# Altium PCB MU2_M.PcbDoc (part 1 of 2)
Units mm, origin at the board's own origin, x right, y up, seen from the top; angles counter-clockwise.
Board outline 200 x 140 mm, 4 copper layers (Top Layer, gnd, PITANIE, Bottom Layer), stack 0.777 mm thick; 379 components, 284 nets, 1704 pads, 111 vias.
Unrouted connection lines stored in the file: 732.
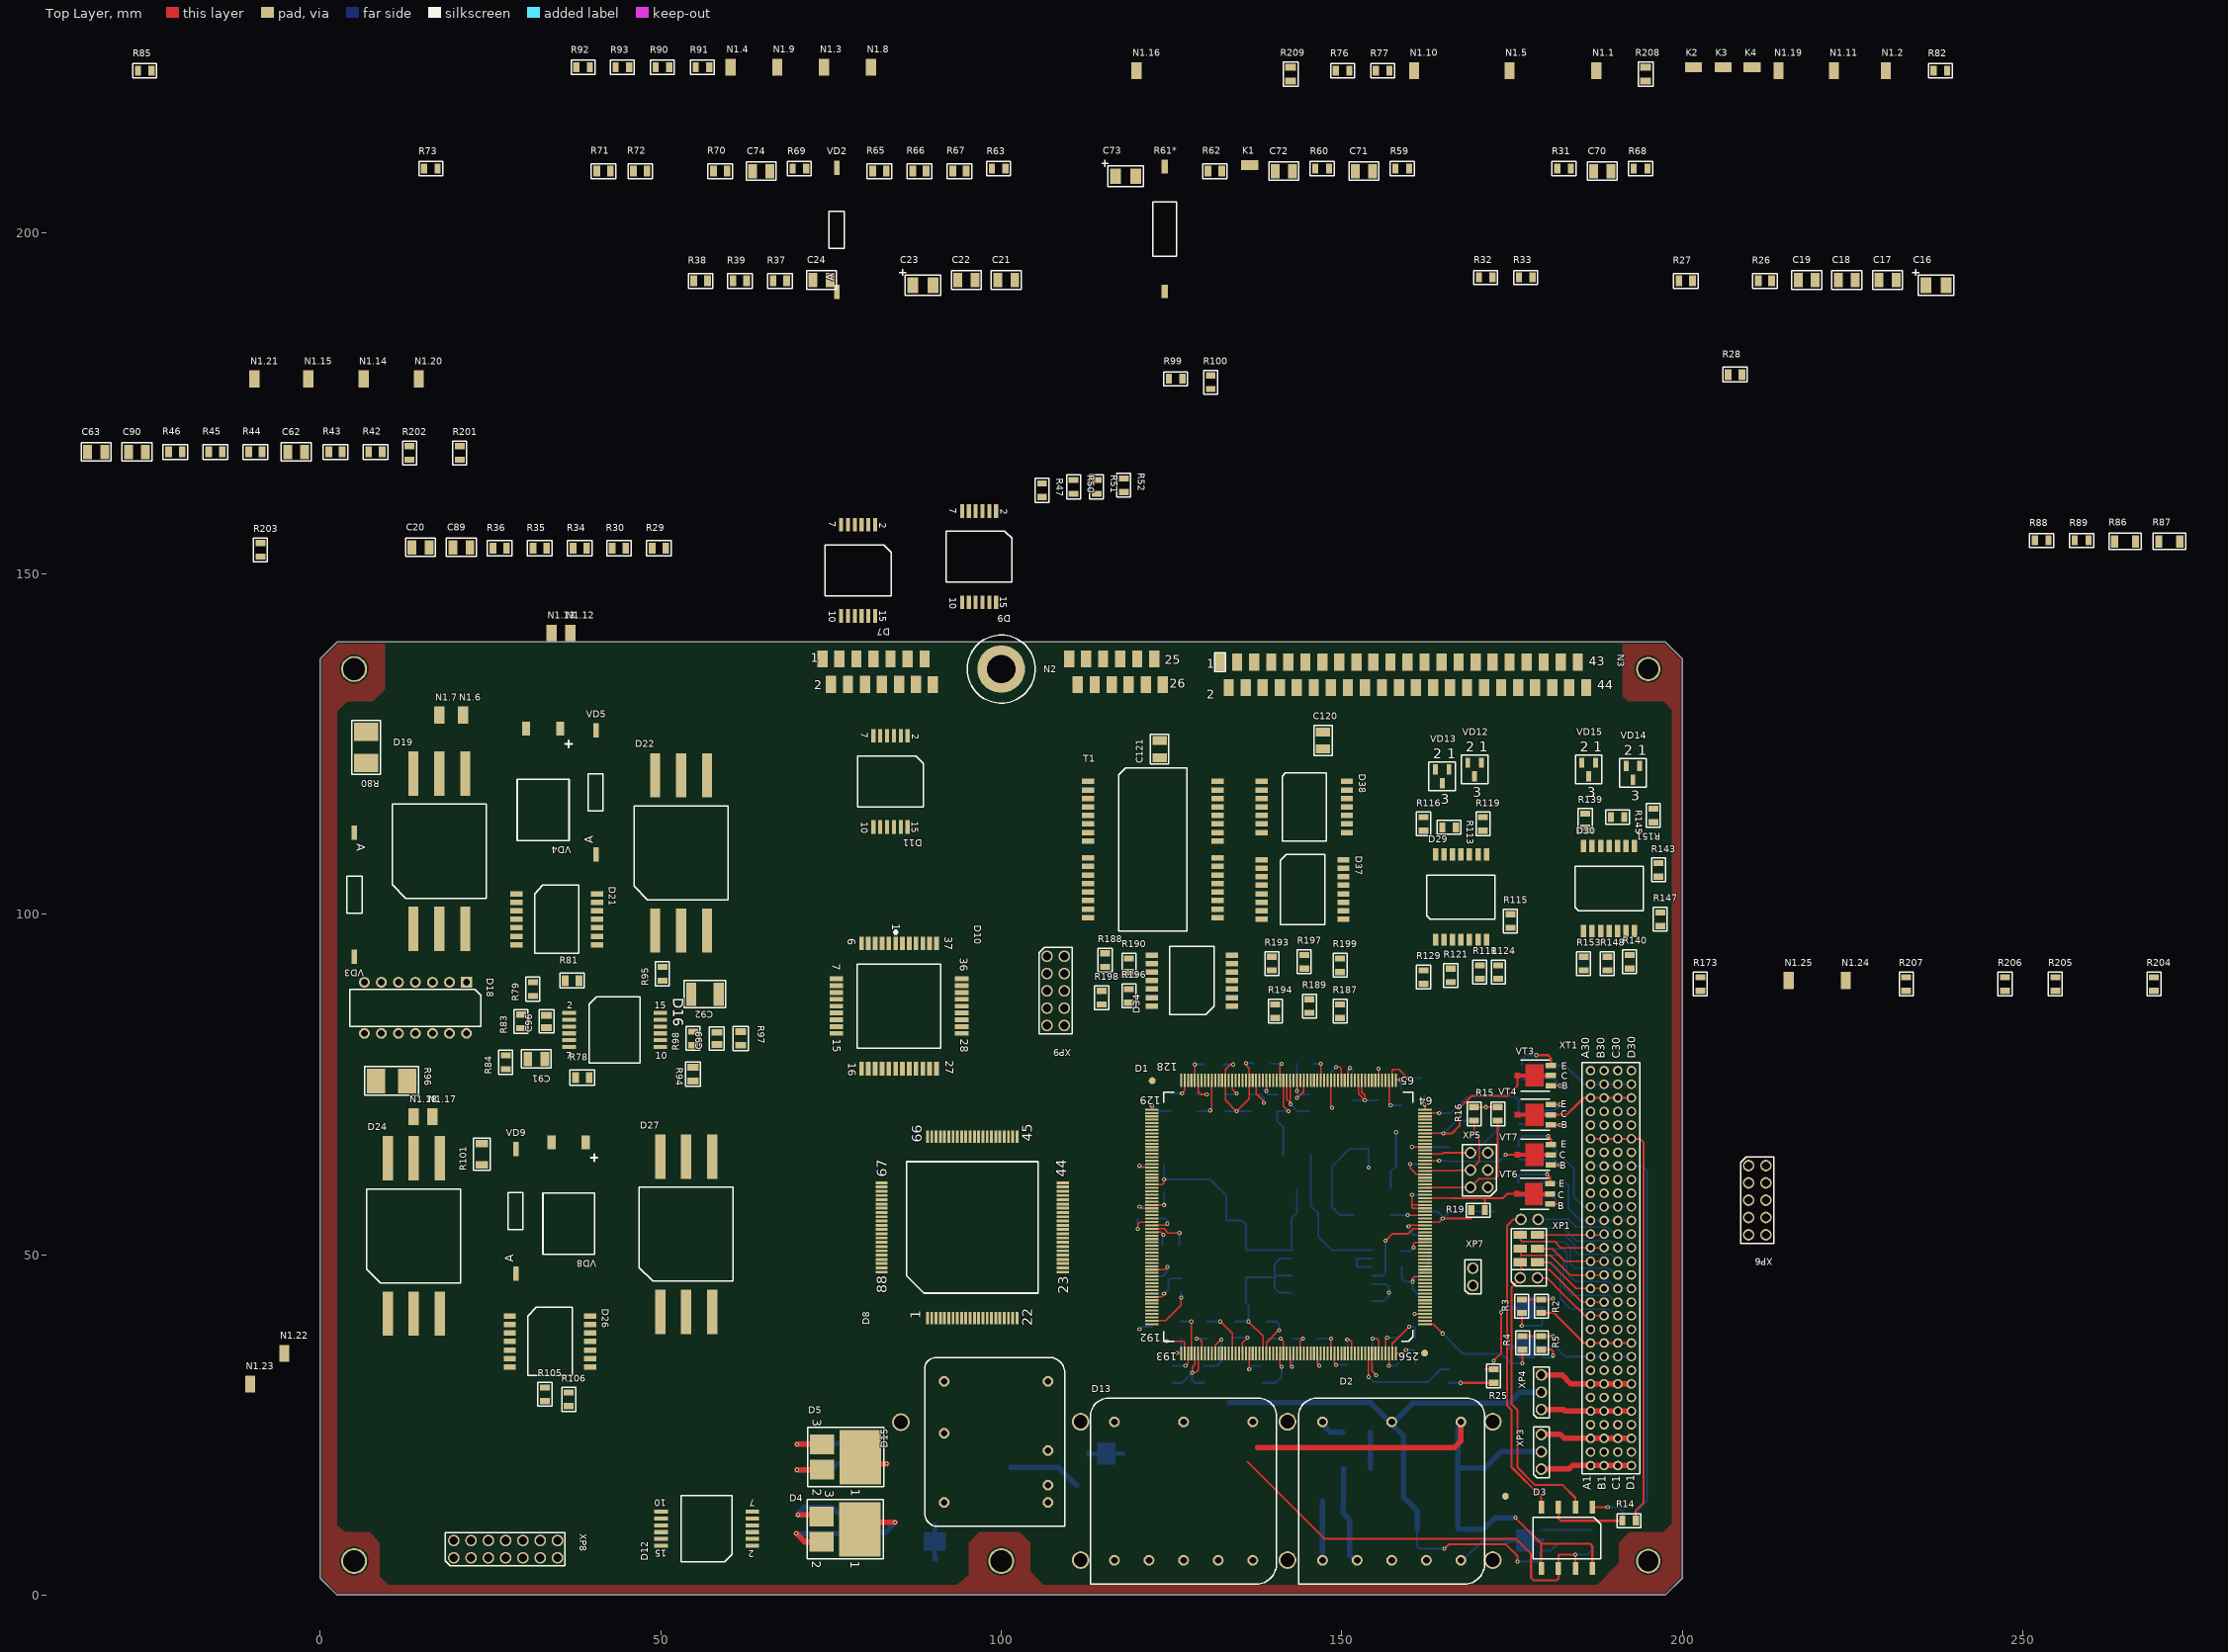
[diagram p0: Top Layer view]
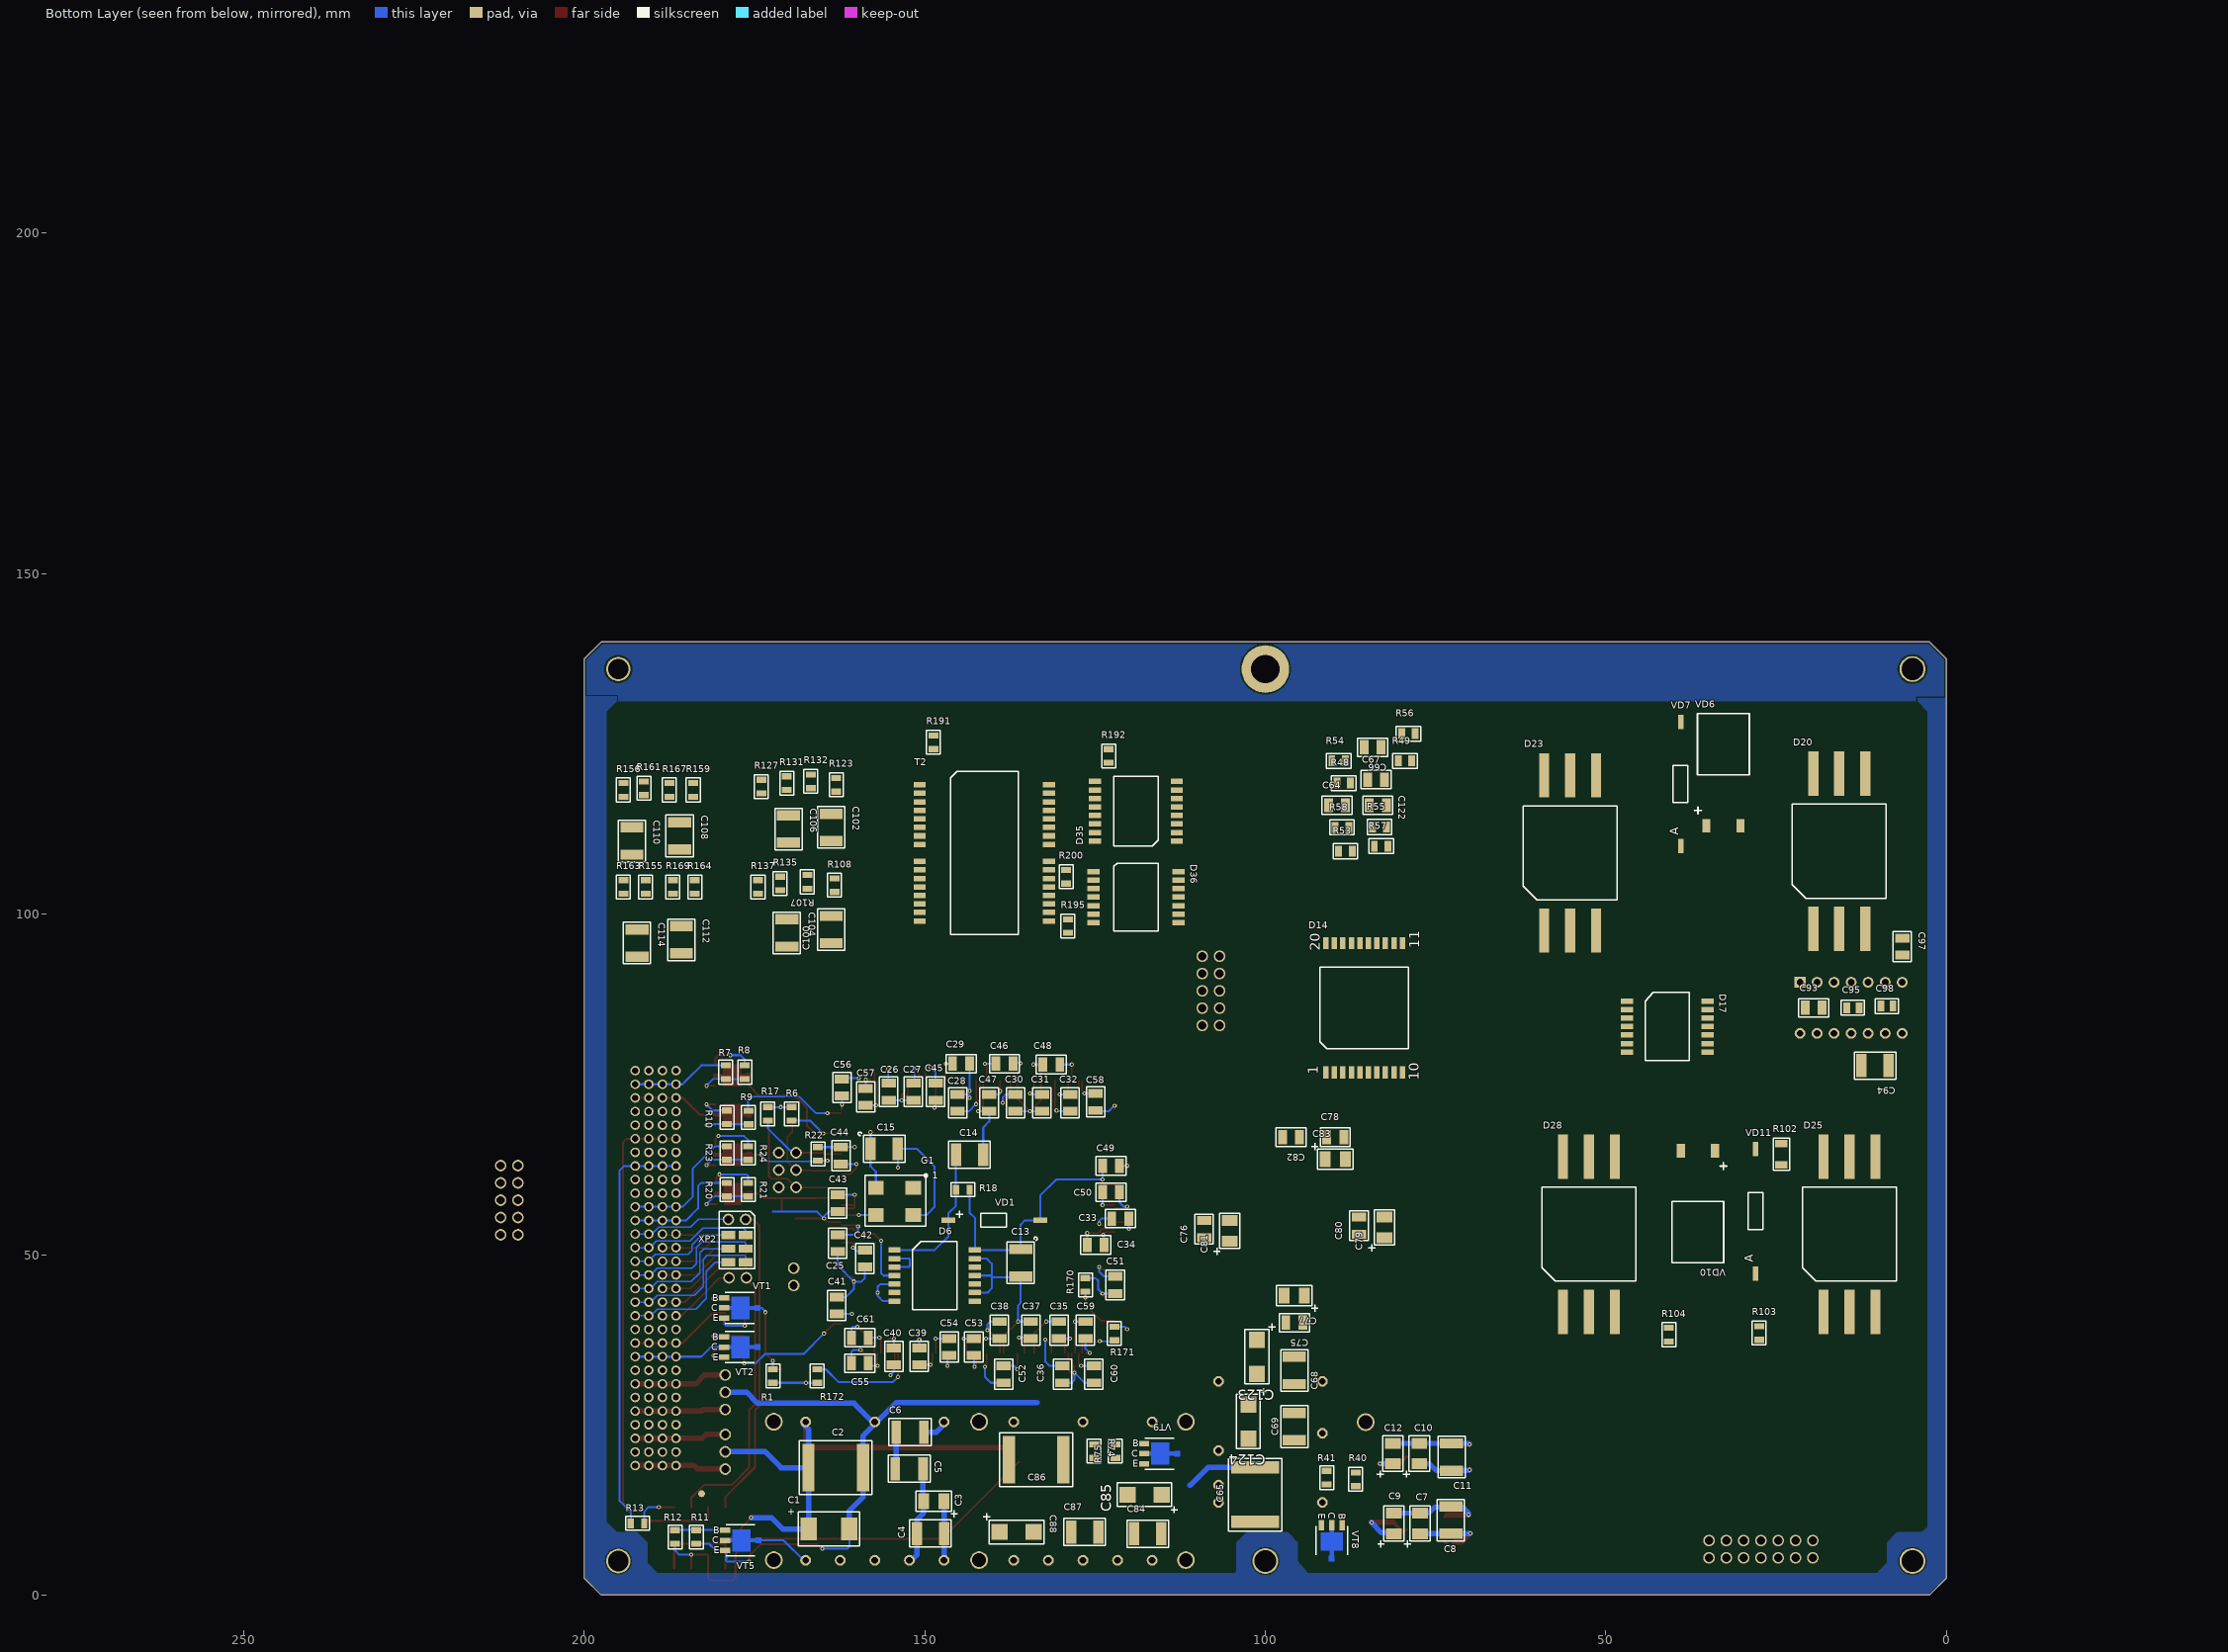
[diagram p1: Bottom Layer view, seen from below]
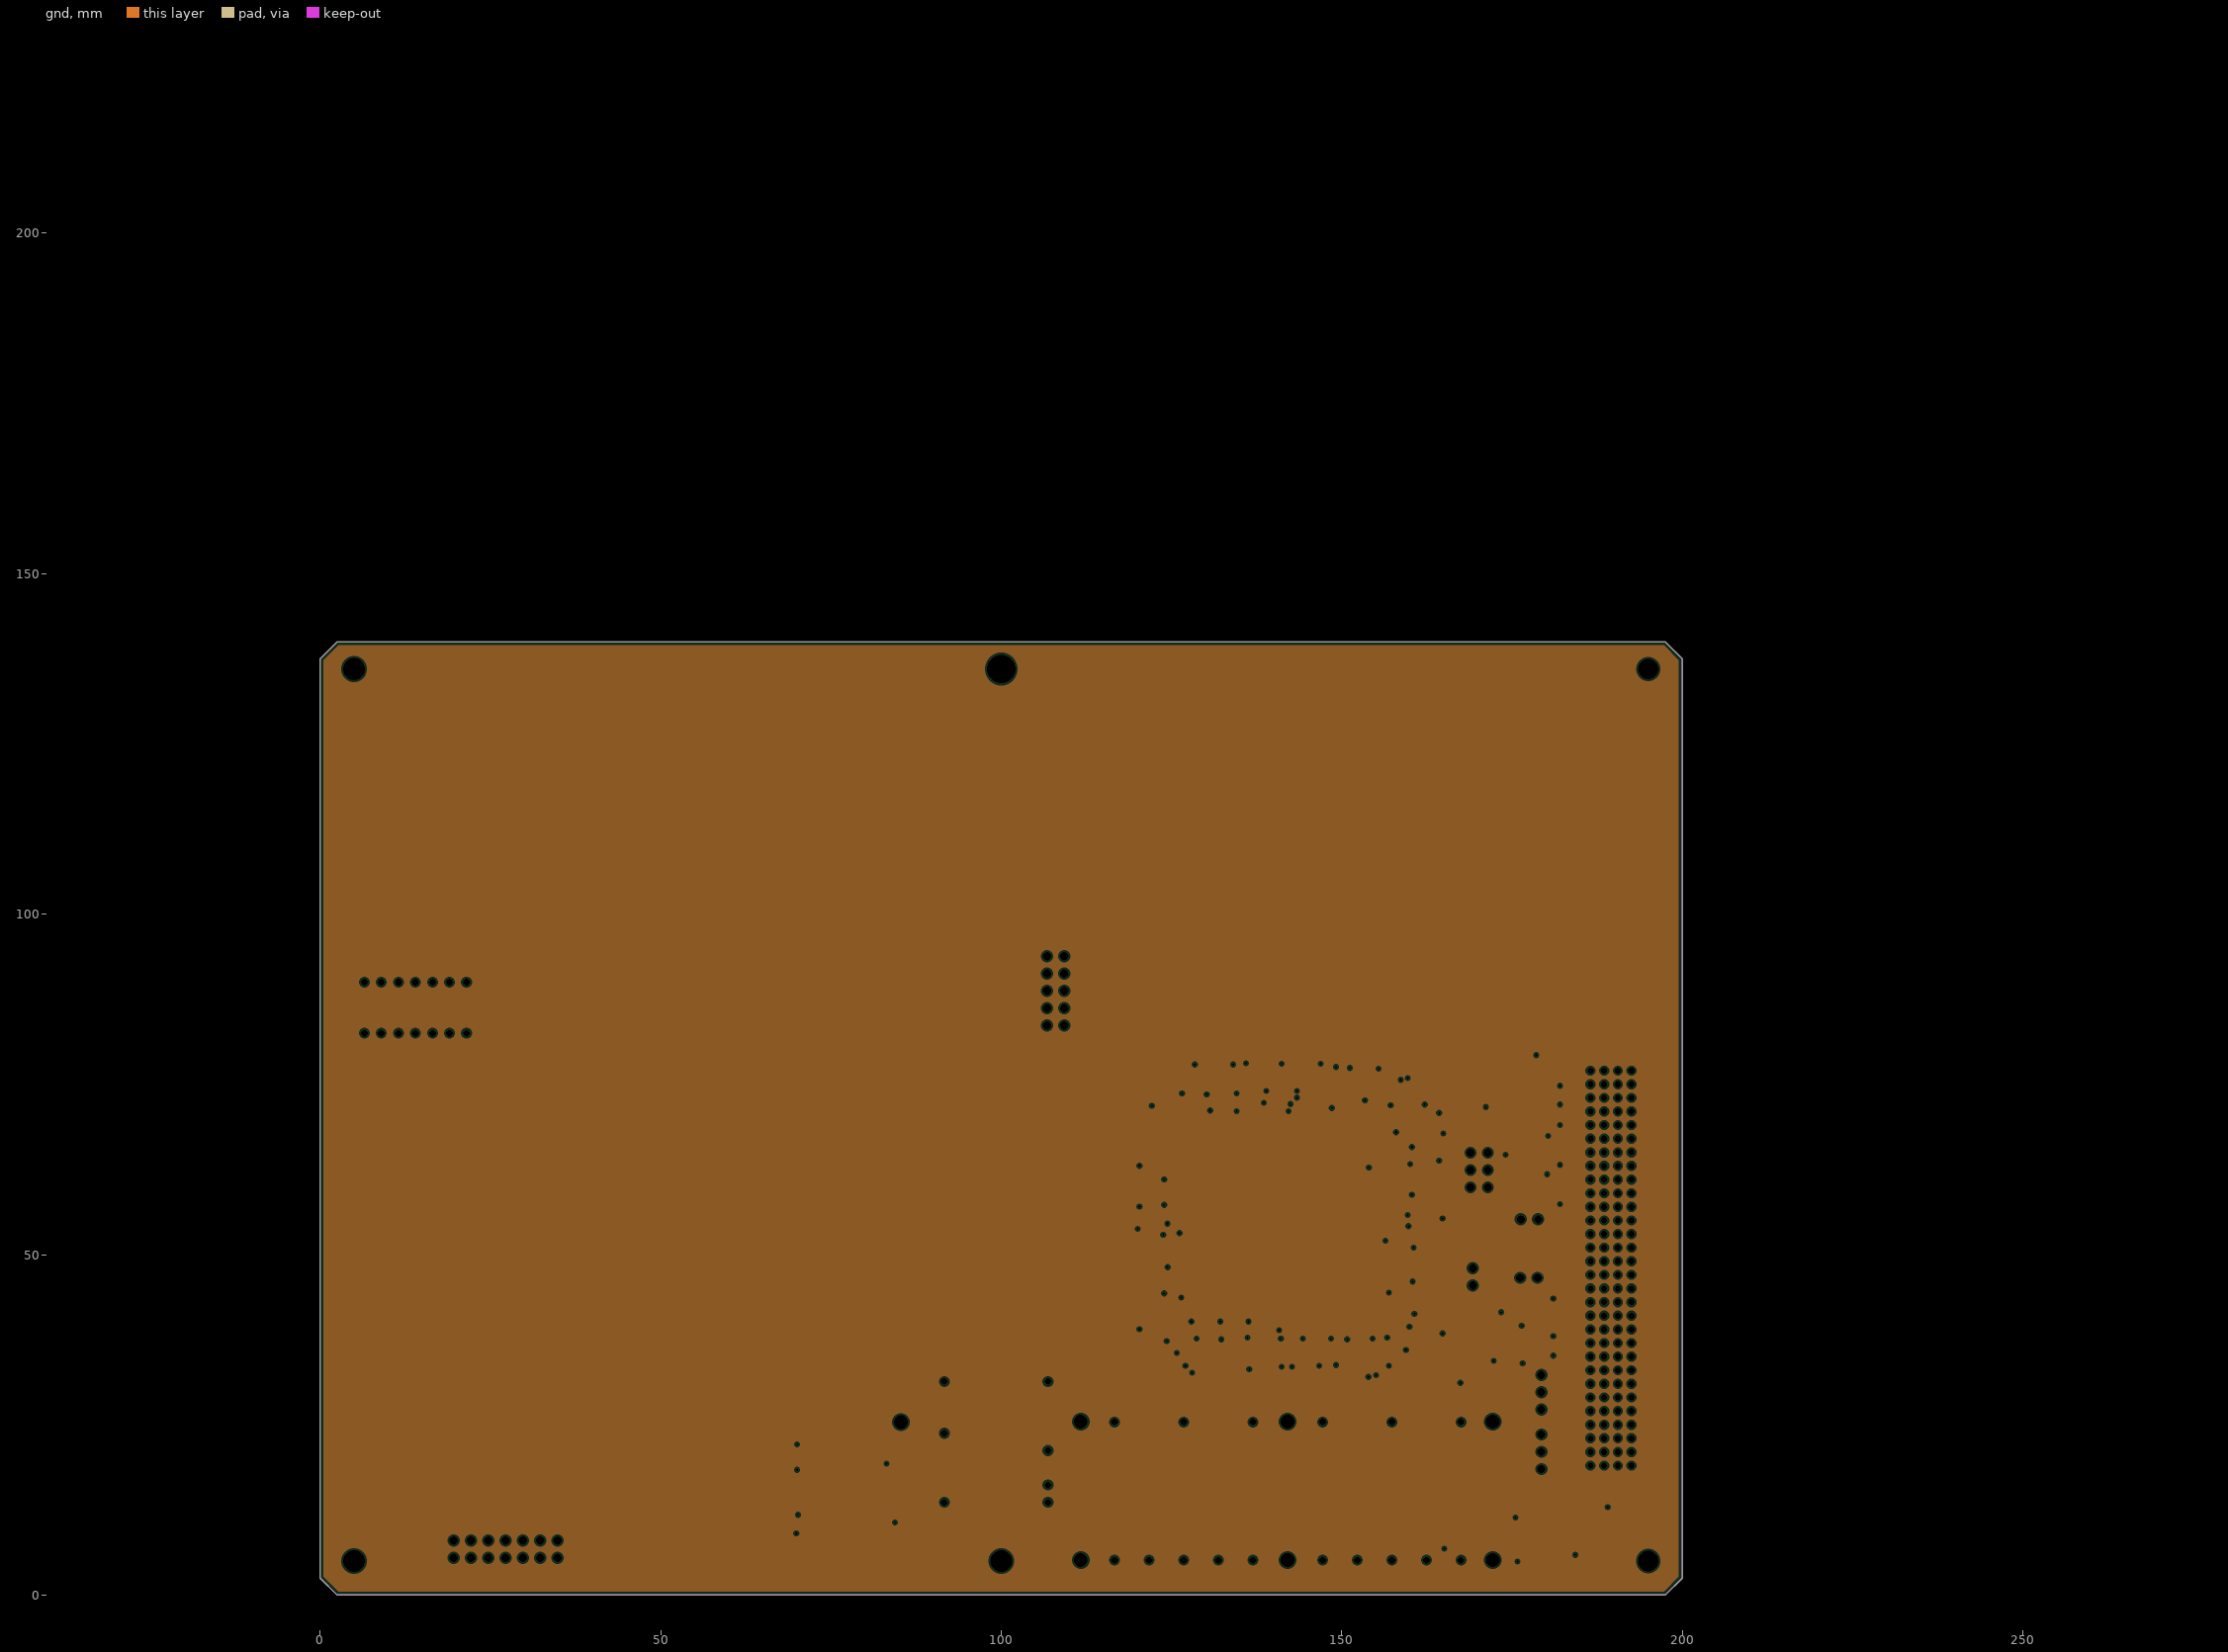
[diagram p2: gnd, clearances drawn from the general rule]
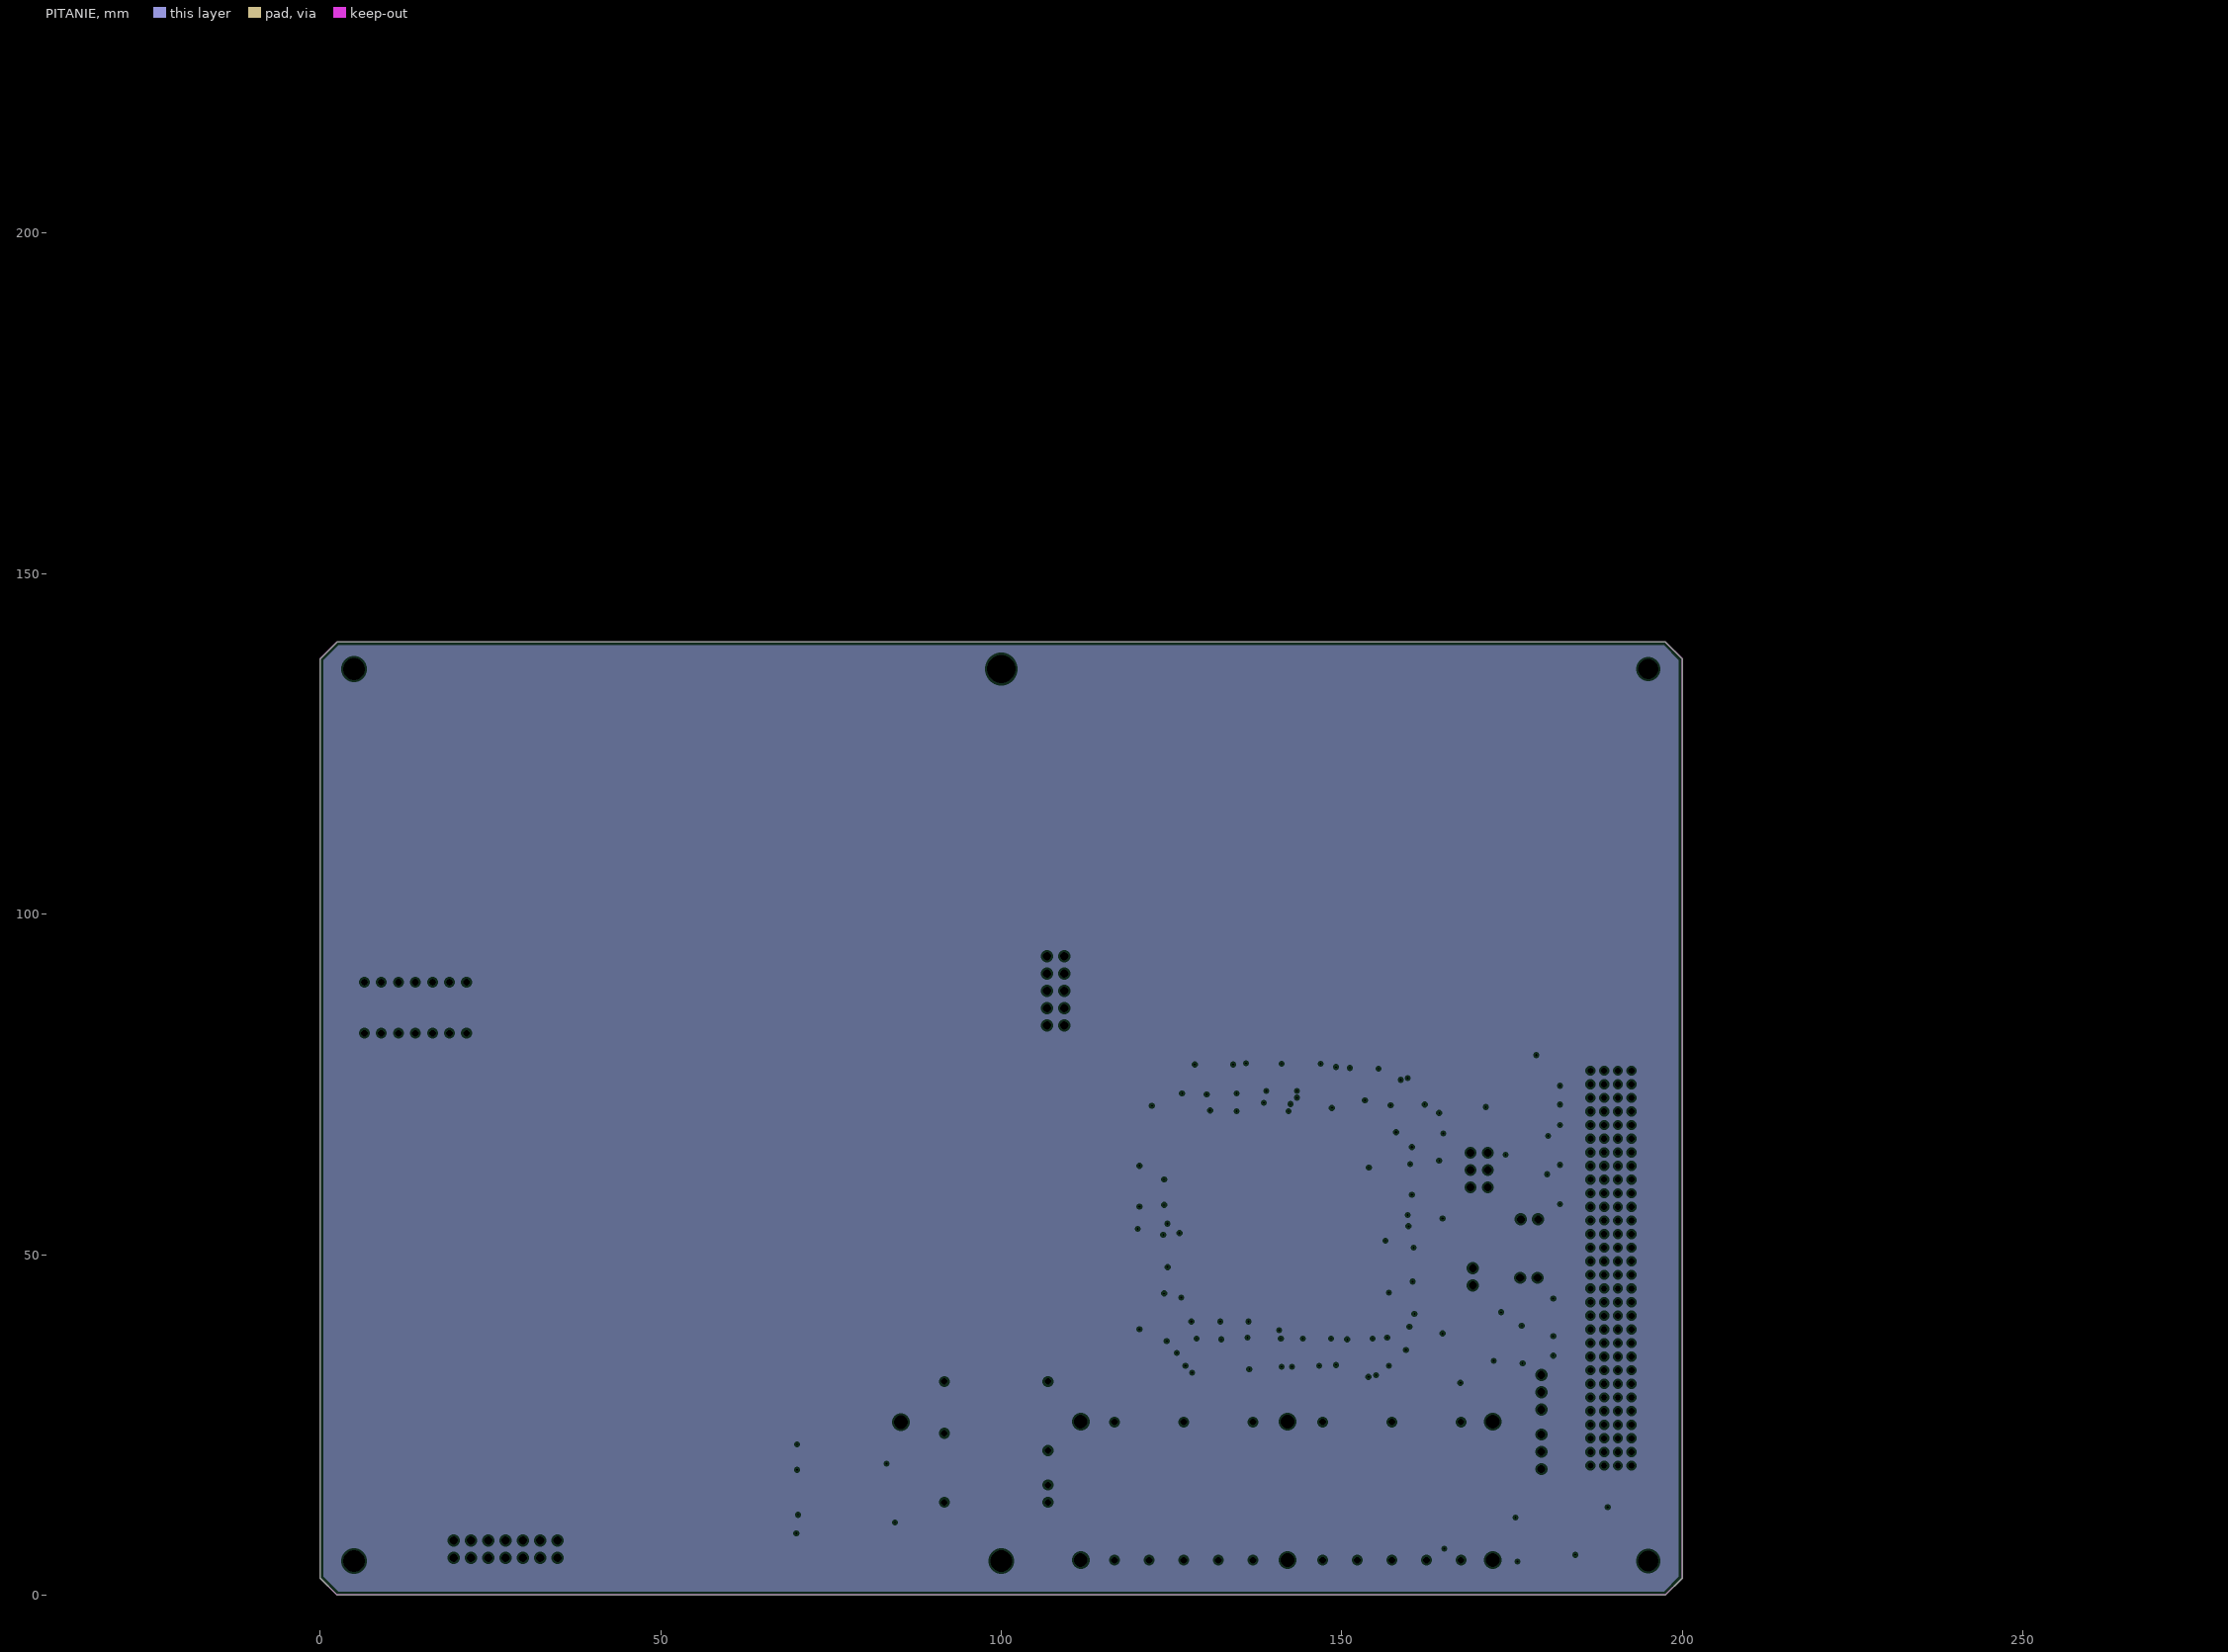
[diagram p3: PITANIE, clearances drawn from the general rule]

## Layer stack, top to bottom
Top Solder, Top Mask: solder mask 0.0102, Solder Resist, Dk 3.5
Top Layer: signal copper 0.0356
Dielectric 1: core 0.254, FR-4, Dk 4.2
gnd: plane copper 0.0356
Dielectric2: prepreg 0.127, FR-4, Dk 4.2
PITANIE: plane copper 0.0356
Dielectric 6: core 0.254, Dk 4.2
Bottom Layer: signal copper 0.0356
Bottom Solder, Bot Mask: solder mask 0.0102, Solder Resist, Dk 3.5

## Board outline
2.5,0 0,2.5 0,137.5 2.5,140 197.5,140 200,137.5 200,2.5 197.5,0

## Design rules (kind name [scope] priority, off if disabled: settings)
Clearance [All] p1: gap=0.15
HoleSize [All] p1: absolutevalues=TRUE maxlimit=6 minlimit=0.025 maxpercent=80.000 minpercent=20.000
MinimumSolderMaskSliver [All] p1: minsoldermaskwidth=0.1
PlaneClearance [All] p1: clearance=0.3
PlaneConnect PlaneConnect_1 [Isvia] p1: planeconnectstyle=Direct reliefexpansion=0.508 reliefentries=4 reliefconductorwidth=0.254 reliefairgap=0.254
PlaneConnect [All] p2: planeconnectstyle=Relief reliefexpansion=0.3 reliefentries=4 reliefconductorwidth=0.3 reliefairgap=0.3
PolygonConnect PolygonConnect_4 [IsPolygon And InNet('CASE') And OnLayer('Bottom Layer, Bottom') vs IsVia] p1: connectstyle=Direct reliefconductorwidth=0.381 reliefentries=4 polygonreliefangle="90 Angle" airgapwidth=0.254
PolygonConnect PolygonConnect_3 [IsPolygon And InNet('CASE') And OnLayer('Bottom Layer, Bottom') vs IsPad] p2: connectstyle=Direct reliefconductorwidth=0.381 reliefentries=4 polygonreliefangle="90 Angle" airgapwidth=0.254
PolygonConnect PolygonConnect_2 [IsPolygon And InNet('CASE') And OnLayer('Top Layer, Top') vs IsVia] p3: connectstyle=Direct reliefconductorwidth=0.381 reliefentries=4 polygonreliefangle="90 Angle" airgapwidth=0.254
PolygonConnect PolygonConnect_1 [IsPolygon And InNet('CASE') And OnLayer('Top Layer, Top') vs IsPad] p4: connectstyle=Direct reliefconductorwidth=0.381 reliefentries=4 polygonreliefangle="90 Angle" airgapwidth=0.254
PolygonConnect [All] p5: connectstyle=Relief reliefconductorwidth=0.254 reliefentries=4 polygonreliefangle="90 Angle" airgapwidth=0.254
RoutingTopology [All] p1: topology=Daisy_Balanced
RoutingVias [All] p1: holewidth=0.3 width=0.6 viastyle="Through Hole" minholewidth=0.29 minwidth=0.59 maxholewidth=0.3 maxwidth=0.6
SilkToSilkClearance [All] p1: silktosilkclearance=0.05
SilkToSolderMaskClearance [IsPad] p1: minsilkscreentomaskgap=0.1 clearancetoexposedcopper=TRUE
SolderMaskExpansion [All] p1: expansion=0.102
Width [All] p1: maxlimit=0.8 minlimit=0.2 preferedwidth=0.3
23 further rules are at their usual default settings.

## Classes and differential pairs
component class ADC: C16 C17 C18 C19 C20 C21 C22 C23 C24 C62 C63 C64 C66 C67 C70 C71 C72 C73 C74 C75 C76 C77 C78 C79 C80 C81 C82 C83 C84 C85 C86 C87 C88 C89 C90 C122 D7 D8 D9 D10 D11 D12 D13 D14 K1 N2 R26 R27 R28 R29 R30 R31 R32 R33 R34 R35 R36 R37 R38 R39 R42 R43 R44 R45 R46 R47 R48 R49 R50 R51 R52 R53 R54 R55 R56 R57 R58 R59 R60 R61 R61* R62 R63 R64 R65 R66 R67 R68 R69 R70 R71 R72 R73 R74 R75 R201 R202 R203 VD2 VT9 XP8 XP9
component class Basic: C1 C2 C3 C4 C5 C6 C7 C8 C9 C10 C11 C12 C13 C14 C15 C25 C26 C27 C28 C29 C30 C31 C32 C33 C34 C35 C36 C37 C38 C39 C40 C41 C42 C43 C44 C45 C46 C47 C48 C49 C50 C51 C52 C53 C54 C55 C56 C57 C58 C59 C60 C61 C65 C68 C69 C123 C124 D1 D2 D3 D4 D5 D6 D15 G1 N1.24 N1.25 R1 R2 R3 R4 R5 R6 R7 R8 R9 R10 R11 R12 R13 R14 R15 R16 R17 R18 R19 R20 R21 R22 R23 R24 R25 R40 R41 R170 R171 R172 R173 R204 R205 R206 R207 VD1 VT1 VT2 VT3 VT4 VT5 VT6 VT7 VT8 XP1 XP2 XP3 XP4 XP5 XP6 XP7 XT1
component class Switches: C91 C92 C93 C94 C95 C96 C97 C98 C99 D16 D17 D18 D19 D20 D21 D22 D23 D24 D25 D26 D27 D28 K2 K3 K4 N1.1 N1.2 N1.3 N1.4 N1.5 N1.6 N1.7 N1.8 N1.9 N1.10 N1.11 N1.12 N1.13 N1.14 N1.15 N1.16 N1.17 N1.18 N1.19 N1.20 N1.21 N1.22 N1.23 R76 R77 R78 R79 R80 R81 R82 R83 R84 R85 R86 R87 R88 R89 R90 R91 R92 R93 R94 R95 R96 R97 R98 R99 R100 R101 R102 R103 R104 R105 R106 R208 R209 VD3 VD4 VD5 VD6 VD7 VD8 VD9 VD10 VD11
component class TahoSens: C100 C102 C104 C106 C108 C110 C112 C114 C120 C121 D29 D30 D34 D35 D36 D37 D38 N3 R107 R108 R111 R113 R115 R116 R119 R121 R123 R124 R127 R129 R131 R132 R135 R137 R139 R140 R143 R145 R147 R148 R151 R153 R155 R156 R159 R161 R163 R164 R167 R169 R187 R188 R189 R190 R191 R192 R193 R194 R195 R196 R197 R198 R199 R200 T1 T2 VD12 VD13 VD14 VD15
